# Allegro board MB1248D.brd (continued)
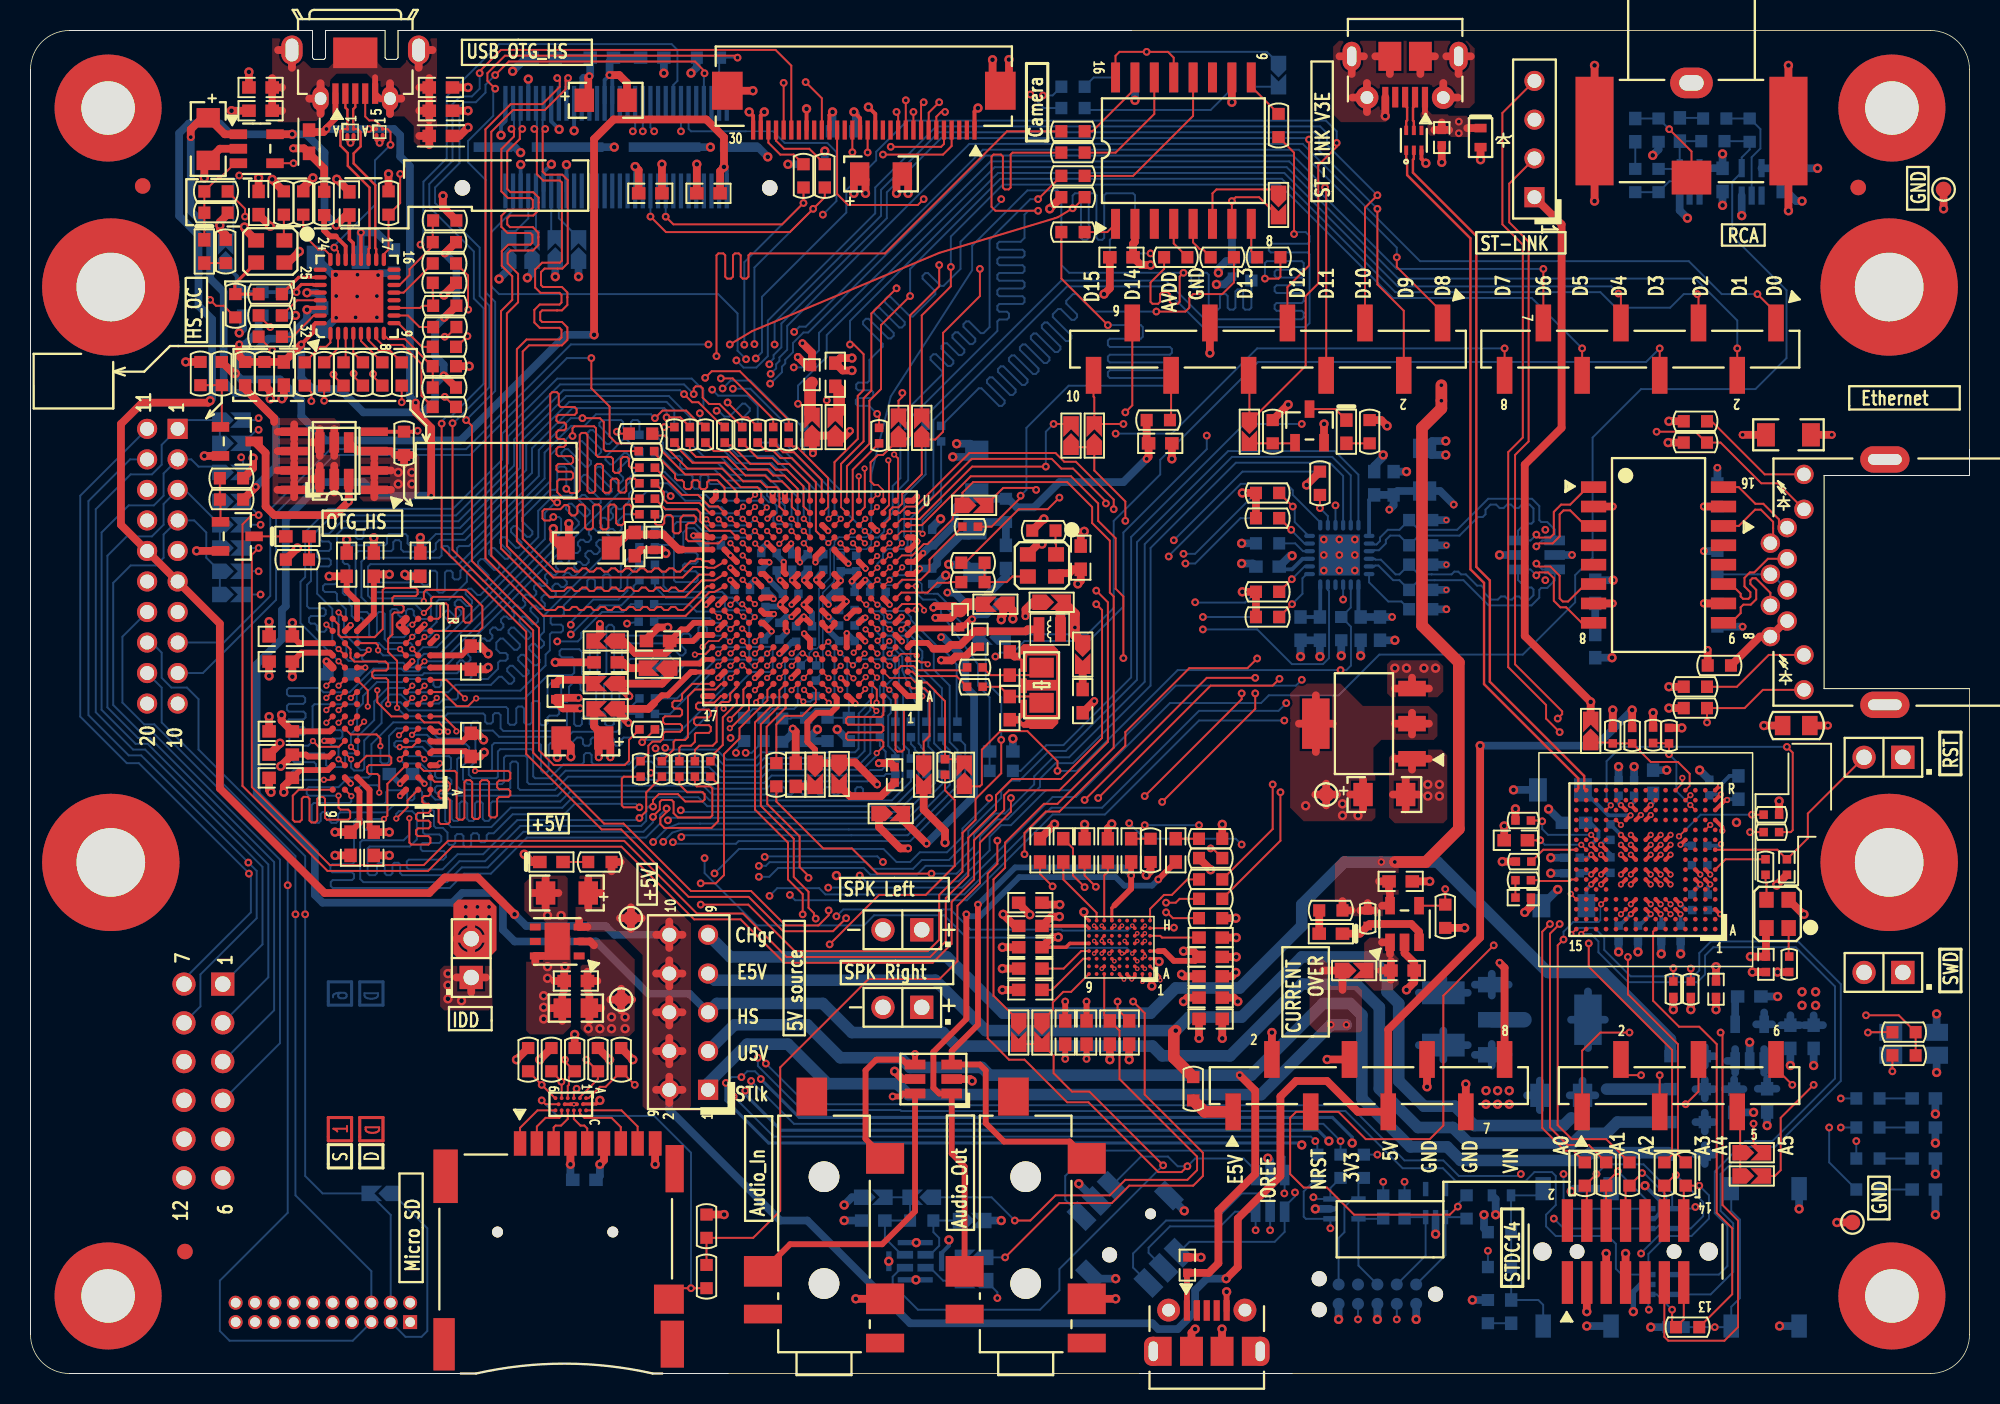
[diagram p0: board, top side]
## Routing (per net, layer and track width the routed paths; a pad name or vN(x,y) marks a point on that pad's centre or on a via; arc(x,y) is an arc through that point) (continued)
PB2: length 70.2
  TOP w0.127: v1(55.45,62.88) 55.58,62.75 R56.2 ; U3.16 71.07,86.34 71.33,86.6 v1(73.11,86.6) 74.5,86.6 74.88,86.22 U3.13
  L4_SIG w0.102: v1(73.11,86.6) 65.61,86.6 63.58,84.57 v1(63.58,76.95)
  BOTTOM w0.127: v1(55.45,62.88) 54.92,63.41 54.18,63.41 54.06,63.53 54.06,63.79 54.18,63.92 55.07,63.92 55.2,64.04 55.2,64.3 55.07,64.42 54.21,64.42 54.08,64.55 54.08,64.8 54.21,64.93 54.82,64.93 54.95,65.06 54.95,66.41 55.82,67.28 55.82,67.46 54.53,68.75 54.53,68.93 54.71,69.11 54.89,69.11 56.18,67.82 56.36,67.82 56.54,68 56.54,68.18 55.25,69.47 55.25,69.65 55.43,69.83 55.61,69.83 56.9,68.54 57.08,68.54 57.26,68.72 57.26,68.9 55.97,70.19 55.97,70.37 56.15,70.55 56.33,70.55 57.62,69.26 57.8,69.26 59.26,70.73 59.26,70.91 58.43,71.74 58.43,71.92 58.61,72.1 58.79,72.1 59.62,71.27 59.8,71.27 60.91,72.38 60.91,74.16 63.58,76.82 v1(63.58,76.95) ; SB25.2 80.98,86.6 v1(73.11,86.6)
PB3: length 91.3
  TOP w0.102: v2(53.9,45.55) U6.C6
  TOP w0.127: CN13.8 104.48,12.05 v1(105.55,13.13)
  L4_SIG w0.102: v2(53.9,45.55) 54.32,45.13 54.32,44.7 54.52,44.49 54.82,44.49 55.07,44.75 55.07,44.75 55.14,44.82 55.71,44.82 56.09,45.2 56.98,45.2 57.61,44.57 57.61,44.18 58.6,43.19 58.6,40.35 63.45,35.5 71.4,35.5 v1(71.96,36.06) ; v1(79.33,34.66) 80.09,33.9 80.09,17.39 83.01,14.47 88.09,14.47 v1(88.22,14.34) 88.6,13.96 98,13.96 99.78,12.18 v1(99.78,10.15)
  BOTTOM w0.127: v1(99.78,10.15) 100.43,9.5 D14.1 106.45,9.5 107.15,10.2 107.15,11.67 105.68,13.13 v1(105.55,13.13) ; R206.2 v1(88.22,14.34) ; v1(79.33,34.66) 78.95,35.04 72.98,35.04 v1(71.96,36.06)
PB4: length 65.1
  TOP w0.127: v2(53.04,44.81) U6.B7
  L4_SIG w0.102: v1(72.98,35.93) 72.88,35.93 72.14,35.19 65.26,35.19 64.42,34.36 62.9,34.36 57.87,39.38 57.87,41.85 55.78,43.93 55.78,44.18 55.6,44.36 55.26,44.36 54.99,44.09 54.36,44.09 53.64,44.81 v2(53.04,44.81) ; v1(76.54,35.93) 78.06,34.41 78.06,32.5 77.04,31.48 77.04,19.42 82.76,13.7 87.08,13.7 87.71,13.07 89.49,13.07 v1(90,12.56)
  BOTTOM w0.127: R211.2 v1(90,12.56) ; v1(72.98,35.93) v1(76.54,35.93)
PB6: length 99.4
  TOP w0.102: U6.B5 v2(54.7,45.63)
  TOP w0.127: v1(69.04,37.58) 77.04,45.58 v1(80.22,45.58)
  L4_SIG w0.102: v2(54.7,45.63) 54.92,45.63 55.3,45.25 55.59,45.25 55.8,45.45 57.1,45.45 57.99,44.57 57.99,44.31 58.06,44.25 58.06,44.24 58.26,44.03 58.27,44.03 58.93,43.37 58.93,40.45 62.84,36.54 64.83,36.54 65.87,37.58 v1(69.04,37.58) ; v1(42.6,81.4) 48.98,81.4 49.54,80.84 52.29,80.84 55.48,77.66 55.48,76.06 64.89,66.65 72.6,66.65 75.85,63.4 75.85,60.82 78.59,58.08 78.59,57.37 80.91,55.05 80.91,46.27 v1(80.22,45.58)
  BOTTOM w0.127: CN15.47 v1(42.6,81.4)
PB7: length 92.2
  TOP w0.102: v2(54.69,46.37) 54.64,46.37 U6.C5
  TOP w0.127: v1(58.5,76.95) 58.12,76.57 53.55,76.57 52.83,77.29 P1.19 ; v1(69.93,37.71) 77.3,45.07 81.36,45.07 v1(81.81,45.52)
  L4_SIG w0.102: v1(58.5,76.95) 68.03,67.43 72.69,67.43 76.61,63.5 76.61,61.28 81.62,56.27 81.62,45.71 v1(81.81,45.52) ; v2(54.69,46.37) 55.07,45.99 55.68,45.99 55.96,45.71 57.23,45.71 58.17,44.77 59.11,44.77 59.73,44.15 59.73,40.08 62.97,36.84 64.57,36.84 66.02,38.29 69.35,38.29 v1(69.93,37.71)
PB14: length 112.9
  TOP w0.127: U6.U15 46.26,57.8 45.14,58.92 42.87,58.92 41.36,60.44 41.36,60.45 41.32,60.48 41.32,60.8 41.17,60.95 38.38,60.95 37.93,61.41 37.93,63.36 36.73,64.56 v1(36.73,66.54)
  L4_SIG w0.102: P2.9 11.64,43.9 11.64,31.74 16.08,27.29 16.08,14.34 23.2,7.23 24.21,7.23 25.99,5.45 25.99,2.78 25.23,2.02 22.2,2.02 21.69,2.53 21.69,4 CN17.8
  BOTTOM w0.127: v1(36.73,66.54) 35.13,66.54 28.78,60.19 19.89,60.19 16.08,56.38 16.08,50.69 11.29,45.9 P2.9
PB15: length 65.6
  TOP w0.102: U6.T15 v2(46.67,56.8)
  L4_SIG w0.102: v2(46.67,56.8) 46.67,57.74 50.45,61.51 50.45,63.06 50.73,63.34 50.73,66.73 49.27,68.19 45.16,68.19 v1(44.4,67.43)
  BOTTOM w0.127: v1(44.4,67.43) 35.39,67.43 28.53,60.57 19.64,60.57 15.7,56.63 15.7,50.95 12.65,47.9 P2.8
PC0: length 70
  TOP w0.102: U6.L2 v2(57.09,52.82)
  TOP w0.127: v1(15.7,68.57) R26.2
  L4_SIG w0.102: v2(57.09,52.82) 56.34,52.36 54.56,52.36 53.34,52.75 52.07,54.02 51.87,54.37 51.87,56 52.37,57.53 53.56,58.73 53.56,59.89 54.28,60.62 54.28,63.44 54.39,63.54 54.39,67.45 51.21,70.63 28.05,70.63 27.51,70.09 26.7,70.09 25.46,68.85 25.46,66.18 22.31,63.03 18.45,63.03 17.92,63.55 v1(15.7,68.57)
PC1: length 55.1
  TOP w0.102: U6.M2 57.07,53.6
  TOP w0.127: 57.07,53.6 57.76,53.6 58.5,54.34 58.76,54.34 60.41,56 60.41,56.25 61.04,56.88 61.04,57.71 61.74,58.41 67.9,58.41 69.53,56.77 69.53,55.73 70.69,54.57 70.69,51.17 70.95,50.92 70.95,41.01 67.26,37.33 66.38,37.33 63.84,34.79 63.84,33.14 63.07,32.37 63.07,24.75 SB21.2
PC2: length 119.8
  TOP w0.102: U6.M3 v2(56.29,53.62)
  TOP w0.127: v1(69.8,50.41) 70.19,50.03 70.19,41.65 67.49,38.95 64.29,38.95 63.24,37.9 63.24,36.92 61.42,35.1 61.42,32.63 59.95,31.15 59.95,28.31 58.93,27.29 49.52,27.29 46.67,30.14 43.65,30.14 38.89,34.9 27.35,34.9 25.76,33.31 19.61,33.31 14.5,38.43 14.5,53.65 v1(14.94,54.09)
  L4_SIG w0.102: v1(69.8,50.41) 70.44,51.04 70.44,56 69.55,56.88 63.58,56.88 62.18,55.49 57.92,55.49 57.71,55.28 57.71,54.5 56.98,53.76 56.43,53.76 v2(56.29,53.62)
  BOTTOM w0.127: SB36.1 v1(14.94,54.09)
PC2_C: length 86.6
  TOP w0.127: SB23.1 112.86,15.11 v1(112.86,16.37) ; U6.R1 58.38,55.59 61.58,58.79 68.15,58.79 69.93,57.01 69.93,55.87 71.07,54.73 71.07,51.42 71.58,50.92 v1(71.58,46.88)
  L4_SIG w0.102: v1(71.58,46.88) 71.96,46.5 71.96,44.31 82.76,33.52 82.76,26.91 89.74,19.93 95.84,19.93 96.47,19.29 101.17,19.29 102.44,18.02 107.14,18.02 108.23,16.93 112.3,16.93 v1(112.86,16.37)
PC3: length 124
  TOP w0.102: U6.M4 55.44,53.57 v2(55.45,53.57)
  TOP w0.127: v1(69.8,51.3) 70.57,50.53 70.57,41.39 67.39,38.22 64.1,38.22 63.77,37.89 63.77,36.91 61.8,34.94 61.8,32.37 60.33,30.9 60.33,28.16 59.09,26.91 49.36,26.91 46.51,29.76 43.46,29.76 38.7,34.52 27.63,34.52 26.04,32.93 19.45,32.93 13.88,38.5 13.88,55.64 14.5,56.25 v1(14.94,56.25)
  L4_SIG w0.102: v1(69.8,51.3) 70.06,51.55 70.06,55.74 69.3,56.5 63.84,56.5 62.31,54.98 59.14,54.98 58.12,53.96 57.61,53.96 57.13,53.48 56.7,53.48 56.47,53.25 55.77,53.25 v2(55.45,53.57)
  BOTTOM w0.127: SB34.1 14.05,57.14 v1(14.94,56.25)
PC3_C: length 15.6
  TOP w0.127: SB6.1 v1(67.01,62.22) ; U6.R2 57.07,56 58.25,56 61.68,59.42 v1(66.5,59.42)
  BOTTOM w0.127: v1(66.5,59.42) 66.5,61.71 v1(67.01,62.22)
PC4: length 33.4
  TOP w0.102: U6.T4 v2(55.44,56.77)
  L4_SIG w0.102: v1(76.28,50.53) 76.28,54.24 70.21,60.31 63.07,60.31 62.31,59.55 59.82,59.55 59.26,58.99 58.43,58.99 56.2,56.77 v2(55.44,56.77)
  BOTTOM w0.127: v1(76.28,50.53) 76.3,50.52 79.56,50.52 R171.2
PC5: length 34.5
  TOP w0.102: U6.U4 v2(55.49,57.62)
  L4_SIG w0.102: v2(55.49,57.62) 56.41,57.62 60.2,61.41 61.32,61.41 61.7,61.03 69.93,61.03 76.79,54.17 v1(76.79,49.57)
  BOTTOM w0.127: v1(76.79,49.57) R175.2
PC8: length 49
  TOP w0.102: U6.E13 v2(47.45,47.18)
  TOP w0.127: v1(36.4,20.56) R118.2 37.17,19.29 35.99,18.11 U13.A2
  L4_SIG w0.102: v1(36.4,20.56) 37.04,19.93 37.67,19.93 40.82,16.78 46.45,16.78 48.9,19.23 48.9,31.83 49.28,32.22 49.28,33.14 49.43,33.29 49.43,39.01 48.49,39.95 48.49,41.35 47.86,41.99 47.86,42.6 47.25,43.21 47.21,43.21 46.76,43.66 46.76,45.05 47,45.29 47,45.63 47.33,45.96 47.54,45.96 47.8,46.23 47.8,46.82 v2(47.45,47.18)
PC10: length 48.8
  TOP w0.127: v2(47.53,43.97) 47.53,44.06 U6.A13 ; U13.A6 34.35,18.04 v1(33.48,18.91) R115.2
  L4_SIG w0.102: v2(47.53,43.97) 48.77,42.72 48.77,42.37 49.41,41.73 49.41,40.33 50.35,39.39 50.35,32.91 50.2,32.76 50.2,30.75 49.84,30.39 49.84,18.87 46.83,15.86 40.29,15.86 37.22,18.94 36.53,18.94 36.38,19.09 35.45,19.09 35.04,18.68 33.71,18.68 v1(33.48,18.91)
PC12: length 46.3
  TOP w0.102: U6.C12 v2(48.25,45.58)
  TOP w0.127: v1(35.77,18.66) 35.59,18.48 U13.A3
  L4_SIG w0.089: 35.93,18.49 36.73,17.69
  L4_SIG w0.102: v2(48.25,45.58) 48.25,43.55 49.21,42.58 49.21,42.36 49.71,41.86 49.71,40.46 50.65,39.52 50.65,32.78 50.5,32.63 50.5,30.62 50.14,30.27 50.14,18.74 46.96,15.56 38.87,15.56 36.73,17.69 ; v1(35.77,18.66) 35.93,18.49
PC13: length 72.5
  TOP w0.102: U6.E3 v2(56.25,47.98)
  L4_SIG w0.102: v2(56.25,47.98) 56.6,48.33 57.22,48.33 57.43,48.12 58.18,48.12 58.65,47.65 60.44,47.65 60.99,48.2 64.84,48.2 65.02,48.38 68.15,48.38 69.93,46.6 69.93,45.96 70.52,45.38 70.52,43.8 70.57,43.75 70.57,43.68 77.17,37.07 77.17,35.93 78.69,34.41 78.69,32.37 77.42,31.1 77.42,19.55 82.89,14.09 87.46,14.09 87.97,13.58 92.79,13.58 94.06,12.31 94.06,9.44 v1(95.46,8.04)
  BOTTOM w0.127: R215.2 v1(95.46,8.04)
PC14: length 5
  TOP w0.127: R77.2 61.16,46.08 58.11,46.08 57.83,46.36 57.03,46.36 U6.C2
PC15: length 4.3
  TOP w0.127: U6.C1 57.76,45.99 58.06,45.7 60.65,45.7 R78.2
PD2: length 49.9
  TOP w0.102: U6.D12 v2(48.25,46.38)
  TOP w0.127: U13.A4 35.19,18.84 35.26,18.91 35.26,19.42 R117.2 35.01,20.44 v1(35.01,20.56)
  L4_SIG w0.102: v1(35.01,20.56) 35.77,20.56 36.78,19.55 37.55,19.55 40.62,16.47 46.58,16.47 49.2,19.1 49.2,31.71 49.59,32.09 49.59,33.01 49.74,33.16 49.74,39.14 48.8,40.08 48.8,41.48 48.16,42.11 48.16,42.6 47.35,43.41 47.29,43.41 46.97,43.74 46.97,44.8 47.39,45.22 47.59,45.22 47.88,45.51 47.88,46.01 v2(48.25,46.38)
PD4: length 105.9
  TOP w0.127: U6.A12 48.66,43.87 47.45,42.66 47.45,36.95 49.61,34.79 49.61,32.37 50.58,31.41 v1(50.58,30.09)
  L4_SIG w0.102: v1(14.94,52.57) 12.55,50.18 12.55,32.15 17.1,27.6 17.1,14.79 19.1,12.78 44.61,12.78 50.58,18.75 v1(50.58,30.09)
  BOTTOM w0.127: SB37.1 v1(14.94,52.57)
PD5: length 115.4
  TOP w0.127: v1(50.96,32.48) 50.93,32.48 50.93,32.63 50.37,33.19 50.37,35.2 48.25,37.32 48.25,38.3 48.21,38.34 48.21,42.38 49.46,43.62 U6.A11
  L4_SIG w0.102: v1(50.96,32.48) 51.01,32.42 51.01,30 51,29.98 51,18.73 44.74,12.48 18.98,12.48 16.75,14.7 16.75,27.51 12.25,32.02 12.25,50.51 15.5,53.76 15.5,58.33 v1(13.8,60.03)
  BOTTOM w0.127: v1(13.8,60.03) 13.92,59.91 SB33.1
PD6: length 112.7
  TOP w0.127: U6.B11 49.05,44.78 49.05,43.75 47.83,42.53 47.83,37.2 49.99,35.04 49.99,32.53 50.96,31.57 50.96,30.52 51.31,30.16 51.31,29.81 v1(51.43,29.81)
  L4_SIG w0.102: v1(51.43,29.81) 51.43,18.73 44.87,12.17 18.85,12.17 16.45,14.58 16.45,27.39 11.94,31.89 11.94,52.49 v1(15.07,55.61)
  BOTTOM w0.127: SB35.1 v1(15.07,55.61)
PD7: length 116.4
  TOP w0.102: U6.C11 v2(49.05,45.58)
  L4_SIG w0.102: v2(49.05,45.58) 49.05,44.18 50.73,42.5 50.73,41.62 50.53,41.42 50.53,40.5 51.26,39.77 51.26,33.44 51.97,32.73 51.97,32.11 v1(52.25,31.84)
  BOTTOM w0.127: R129.2 112.56,80.75 R127.2 112.6,80.2 112.08,79.68 U15.4 112.08,78.72 111.46,78.09 111.46,74.54 115.02,70.98 115.02,66.54 112.98,64.5 105.49,64.5 102.32,61.33 102.32,53.46 101.17,52.31 101.17,50.53 97.74,47.11 88.35,47.11 85.68,44.44 81.11,44.44 80.6,43.93 74.63,43.93 68.47,37.77 66.95,37.77 61.01,31.84 v1(52.25,31.84)
PD11: length 52.8
  TOP w0.127: v1(44.93,66.66) 44.93,73.27 45.06,73.39 45.37,73.39 45.5,73.27 45.5,71.87 45.63,71.74 45.88,71.74 46.01,71.87 46.01,73.27 46.14,73.39 46.39,73.39 46.52,73.27 46.52,71.87 46.64,71.74 46.9,71.74 47.03,71.87 47.03,73.27 47.15,73.39 55.96,73.39 63.96,81.4 R2.1
  L4_SIG w0.102: v1(41.93,57.49) 41.93,58.98 45.42,62.47 45.72,62.47 46.44,63.19 46.44,64.73 44.93,66.24 v1(44.93,66.66)
  BOTTOM w0.127: v1(41.93,57.49) 41.92,57.5 41.92,57.51 41.65,57.79 40.35,57.79 R157.2
PD12: length 172.4
  TOP w0.127: CN5.10 69.63,64.01 69.68,63.96 SB7.1 v1(71.58,62.22) ; U6.R16 45.45,55.59 v2(45.06,55.97) ; R103.1 81.36,35.68 v1(81.36,38.6) ; R4.1 v1(50.63,76.7) 49.23,75.3 42.11,75.3 v1(41.6,75.8)
  L4_SIG w0.102: v1(50.63,76.7) 50.63,75.81 63.58,62.85 70.95,62.85 v1(71.58,62.22) 72.09,61.71 72.09,59.76 77.63,54.22 77.63,42.33 v1(81.36,38.6) ; v1(46.75,67.41) 46.75,67.51 47.12,67.88 49.05,67.88 49.52,67.42 49.52,65.76 49.84,65.44 49.84,64.2 49.53,63.9 49.53,61.89 45.83,58.18 45.83,58.1 45.78,58.05 45.78,56.68 v2(45.06,55.97) ; P2.7 8.59,50.94 8.59,52.69 8.34,52.95 7.07,52.95 6.56,53.46 6.56,58.41 7.07,58.92 8.21,58.92 8.59,59.3 8.59,60.57 8.84,60.82 10.37,60.82 10.75,61.2 10.75,61.96 14.28,65.5 14.28,71.77 13.53,72.52 13.53,75.9 13.87,76.24 16.72,76.24 18.24,74.72 20.4,74.72 20.78,74.33 23.88,74.33 24.9,75.35 41.28,75.35 41.6,75.67 v1(41.6,75.8)
  BOTTOM w0.127: CN15.44 v1(41.6,75.8) ; v1(46.75,67.41) 46.75,72.82 v1(50.63,76.7) R4.1
PD13: length 235.2
  TOP w0.127: R105.1 81.87,34.91 v1(81.87,38.09) ; v2(44.26,55.97) 44.65,55.59 U6.R17 ; v1(71.71,62.98) 72.17,63.44 CN5.9 ; R5.1 52.02,77.08 v1(51.26,76.32) 49.74,74.79 41.62,74.79 v1(40.6,75.81) ; v1(116.79,18.91) 114.64,16.75 114.64,13.32 114.25,12.94 SB24.1
  L4_SIG w0.102: v1(47.41,67.45) 47.68,67.45 48.91,66.22 48.91,65.51 49.23,65.19 49.23,64.45 48.93,64.15 48.93,62.15 45.22,58.44 45.22,57.95 45.24,57.92 45.24,56.95 v2(44.26,55.97) ; P2.10 8.59,44.94 8.59,50.28 7.96,50.92 7.07,50.92 6.18,51.8 6.18,60.44 6.69,60.95 8.34,60.95 8.59,61.2 8.59,62.47 8.97,62.85 9.99,62.85 12.74,65.61 12.74,67.95 13.97,69.18 13.97,71.64 13.22,72.39 13.22,76.02 13.75,76.54 16.84,76.54 17.66,75.73 40.53,75.73 v1(40.6,75.81) ; v1(116.79,18.91) 116.21,19.5 116.21,20.56 114.43,22.34 111.71,22.34 111.08,21.71 97.11,21.71 96.35,22.47 90.89,22.47 86.7,26.66 86.7,33.26 v1(81.87,38.09) 81.87,38.72 77.93,42.66 77.93,54.09 77.93,54.34 72.47,59.81 72.47,62.22 v1(71.71,62.98) 71.33,63.36 63.58,63.36 51.26,75.68 v1(51.26,76.32)
  BOTTOM w0.127: R5.1 52.02,77.08 v1(51.26,76.32) 47.41,72.47 v1(47.41,67.45) ; CN15.40 v1(40.6,75.81)
PE0: length 51.8
  TOP w0.102: v2(55.45,45.6) U6.C4
  TOP w0.127: v2(19.38,45.07) 19.77,45.45 U7.K9
  L4_SIG w0.102: v1(41.57,40.99) 41.57,40.92 41.15,40.5 41,40.5 38.26,37.76 37.5,37.76 37.4,37.66 37.4,37.38 37.3,37.28 37.1,37.28 37,37.38 37,37.66 36.89,37.76 36.69,37.76 36.59,37.66 36.59,37.38 36.49,37.28 36.29,37.28 36.18,37.38 36.18,37.66 36.08,37.76 35.88,37.76 35.78,37.66 35.78,37.38 35.68,37.28 35.47,37.28 35.37,37.38 35.37,37.66 35.27,37.76 33.08,37.76 30.94,39.89 30.94,42.58 30.69,42.84 29.24,42.84 28.55,43.52 24.47,43.52 24.19,43.25 23.22,43.25 22.36,44.11 21.85,44.11 21.24,43.5 20.86,43.5 20.47,43.11 19.92,43.11 19.73,43.3 19.73,44.42 19.38,44.77 v2(19.38,45.07)
  BOTTOM w0.127: v1(41.57,40.99) 41.68,40.88 44.93,40.88 45.59,40.22 47.43,40.22 47.91,40.71 54.01,40.71 54.23,40.93 54.23,43.09 54.25,43.11 54.25,43.24 54.69,43.69 54.69,43.82 55.12,44.25 55.12,45.28 v2(55.45,45.6)
PE1: length 52.6
  TOP w0.127: v2(55.41,43.96) 55.4,43.96 55.4,44.01 55.43,44.03 55.43,44.03 55.43,44.03 55.43,44.82 U6.B4 ; U7.K1 27.23,45.45 v2(28.45,44.24)
  L4_SIG w0.102: v2(28.45,44.24) 29.47,43.22 32.82,43.22 32.92,43.12 32.92,42.83 32.82,42.73 31.4,42.73 31.3,42.63 31.3,39.99 31.4,39.89 31.6,39.89 31.7,39.99 31.7,42.22 31.81,42.32 32.01,42.32 32.11,42.22 32.11,39.99 32.21,39.89 32.42,39.89 32.52,39.99 32.52,42.22 32.62,42.32 32.82,42.32 32.92,42.22 32.92,39.23 33.38,38.77 38.84,38.77 40.92,40.86 40.92,40.95 v1(40.94,40.96)
  BOTTOM w0.127: v1(40.94,40.96) 40.94,40.9 41.34,40.5 44.77,40.5 45.43,39.84 47.58,39.84 48.07,40.32 54.16,40.32 54.63,40.79 54.63,43.09 55.01,43.47 55.01,43.61 55.35,43.96 v2(55.41,43.96)
PE2: length 10
  TOP w0.102: U6.C3 56.27,45.58 57.66,45.58 57.96,45.28 58.16,45.28
  TOP w0.127: 58.16,45.28 58.71,45.28 59.26,44.72 59.26,44.69 59.9,44.06 R87.2 60.91,40.25 SB17.1
PE3: length 34.5
  TOP w0.102: U6.D3 v2(56.27,46.38)
  TOP w0.127: U12.F2 v3(72.99,28.84)
  L4_SIG w0.102: v3(72.99,28.84) 73.61,28.84 74.81,30.04 74.81,35.04 71.25,38.6 65.89,38.6 64.57,37.28 64.04,37.28 60.75,40.56 60.75,44.12 59.49,45.38 59.36,45.38 59.36,45.38 58.32,45.38 57.33,46.38 v2(56.27,46.38)
PE4: length 111.1
  TOP w0.102: v2(58.04,47.04) 57.93,47.16 57.03,47.16 U6.D2
  TOP w0.127: U12.E3 v3(72.49,28.34) ; v1(74.12,37.45) 80.22,43.55 v1(80.22,44.57)
  L4_SIG w0.089: 73.82,28.04 72.79,28.04 v3(72.49,28.34)
  L4_SIG w0.102: 73.82,28.04 74.33,28.04 75.5,29.21 75.5,36.07 v1(74.12,37.45) 70.95,40.63 63.86,40.63 62.69,41.8 62.69,43.83 60.2,46.32 59.36,46.32 59.15,46.53 59.15,46.63 59.14,46.64 59.14,46.85 58.95,47.04 v2(58.04,47.04) ; v1(80.22,44.57) 79.71,45.07 79.71,47.36 80.16,47.81 80.16,54.93 75.54,59.55 75.54,60.26 75.24,60.56 75.24,63.15 72.35,66.04 64.54,66.04 52.31,78.27 51.47,78.27 49.53,80.2 45.06,80.2 44.73,79.88 44.33,79.88 43.97,80.23 41.26,80.23 v1(40.1,81.4)
  BOTTOM w0.127: CN15.37 v1(40.1,81.4)
PE5: length 106.7
  TOP w0.102: 58.16,46.67 57.57,46.67 U6.D1
  TOP w0.127: U12.G1 74.86,29.18 v1(74.89,29.21) ; v1(72.98,37.83) 79.33,44.18 v1(79.33,44.57) ; v2(58.77,46.47) 58.76,46.47 58.63,46.6 58.3,46.6 58.22,46.67 58.16,46.67
  L4_SIG w0.102: v2(58.77,46.47) 59.23,46.01 60.08,46.01 62.06,44.03 62.06,42 63.81,40.25 70.57,40.25 v1(72.98,37.83) 75.2,35.61 75.2,29.52 v1(74.89,29.21) ; v1(39.45,81.4) 41.07,79.77 44,79.77 44.23,79.54 45.66,79.54 45.96,79.24 48.85,79.24 50.12,77.97 52.18,77.97 64.41,65.74 72.22,65.74 74.56,63.4 74.56,60.82 75.24,60.13 75.24,59.17 79.86,54.55 79.86,48.01 79.33,47.49 v1(79.33,44.57)
  BOTTOM w0.127: v1(39.45,81.4) 39.6,81.55 CN15.35
PE6: length 122
  TOP w0.102: v2(53.92,47.23) 53.92,47.25 U6.E5
  TOP w0.127: v1(80.35,46.85) 79.71,46.22 75.9,46.22 71.71,42.03 71.71,41.14 67.39,36.82 66.5,36.82 65.11,35.42 v1(65.11,34.02) ; U12.E4 v3(71.67,28.34)
  L4_SIG w0.102: v2(53.92,47.23) 53.53,46.84 53.04,46.84 52.68,46.49 52.68,44.66 53.8,43.55 53.93,43.55 54.54,42.94 54.54,42.89 54.54,41.5 54.41,41.37 54.41,35.57 56.72,33.26 64.34,33.26 v1(65.11,34.02) 68.26,34.02 70.57,31.71 70.57,29.33 71.56,28.34 v3(71.67,28.34) ; v1(80.35,46.85) 80.6,47.11 80.6,54.93 78.28,57.24 78.28,57.95 75.54,60.69 75.54,63.28 72.47,66.35 64.76,66.35 55.17,75.93 55.17,77.53 54.01,78.7 51.47,78.7 49.63,80.54 48.94,80.54 48.52,80.96 41.28,80.96 v1(40.85,81.4)
  BOTTOM w0.127: CN15.39 40.6,81.64 v1(40.85,81.4)
PF6: length 55.3
  TOP w0.127: R15.2 67.52,71.74 v1(70.57,68.7) ; v1(64.85,57.52) 64.85,57.39 62.95,55.49 R69.1
  BOTTOM w0.127: v1(64.85,57.52) 65.23,57.9 65.23,61.96 67.99,64.73 74.76,64.73 74.88,64.85 74.88,65.11 74.76,65.23 70.69,65.23 70.57,65.36 70.57,65.61 70.69,65.74 74.76,65.74 74.88,65.87 74.88,66.12 74.76,66.25 70.69,66.25 70.57,66.38 70.57,66.63 70.69,66.76 74.63,66.76 74.76,66.88 74.76,67.14 74.63,67.27 70.69,67.27 70.57,67.39 70.57,67.68 70.69,67.81 72.73,67.81 72.85,67.93 72.85,68.57 72.73,68.7 v1(70.57,68.7)
PF7: length 60.9
  TOP w0.102: U6.K3 56.27,52 v2(56.27,52.01)
  TOP w0.127: R1.1 82.76,80 v1(82.76,74.66)
  BOTTOM w0.127: v1(82.76,74.66) 82.89,74.79 83.52,74.79 83.77,74.54 83.77,74.16 83.65,74.03 81.23,74.03 81.11,73.9 81.11,73.59 81.23,73.46 83.65,73.46 83.77,73.33 83.77,68.82 83.52,68.57 76.79,68.57 74.12,71.24 67.9,71.24 59.14,62.47 59.14,57.52 57.68,56.06 57.68,52.63 57.36,52.31 56.57,52.31 v2(56.27,52.01)
PF8: length 122.3
  TOP w0.102: U6.K4 v2(55.47,52)
  TOP w0.127: v1(43.9,30.72) 47.01,30.72 50.06,27.67 58.77,27.67 59.52,28.42 59.52,31.36 61.04,32.88 61.04,35.42 61.9,36.28 61.9,37.64 63.58,39.33 v1(63.58,41.52)
  L4_SIG w0.102: P2.14 8.62,56.88 10.11,56.88 11,57.77 11,58.66 12.91,60.57 14.94,60.57 15.96,59.55 15.96,52.82 15.03,51.89 14.85,51.89 12.86,49.9 12.86,32.27 15.68,29.45 24.9,29.45 27.06,31.61 29.8,31.61 30.82,30.6 43.77,30.6 v1(43.9,30.72)
  BOTTOM w0.102: v2(55.47,52) 55.82,51.65 56.82,51.65 57.17,52 58.11,52 58.37,51.73 58.37,51.3 58.58,51.09 59.15,51.09
  BOTTOM w0.127: v1(63.58,41.52) 63.58,44.31 62.57,45.33 62.57,47.87 SB39.1 62,48.44 61.72,48.44 60.1,50.05 60.1,50.41 59.42,51.09 59.15,51.09
PF9: length 50.3
  TOP w0.127: R20.2 81.87,71.87 81.74,71.74 v1(80.85,71.74)
  BOTTOM w0.127: R140.1 58.63,62.73 67.52,71.62 74.38,71.62 76.92,69.08 83.27,69.08 83.39,69.2 83.39,69.51 83.27,69.64 81.62,69.64 81.49,69.76 81.49,70.02 81.62,70.14 83.27,70.14 83.39,70.27 83.39,70.67 83.27,70.8 81.62,70.8 81.49,70.92 81.49,71.18 81.62,71.3 83.27,71.3 83.39,71.43 83.39,71.69 83.27,71.81 81.62,71.81 81.49,71.94 81.49,72.19 81.62,72.32 83.27,72.32 83.39,72.45 83.39,72.76 83.27,72.89 80.98,72.89 80.85,72.76 v1(80.85,71.74)
PF10: length 71.8
  TOP w0.102: U6.L3 v2(56.29,52.82)
  TOP w0.127: v1(105.49,19.55) 104.48,19.55 104.17,19.85 CN9.2
  L4_SIG w0.102: v1(105.49,19.55) 105.29,19.75 96.6,19.75 96.04,20.31 90.25,20.31 83.19,27.37 83.19,33.59 72.34,44.44 72.34,46.98 68.36,50.97 63.53,50.97 60.53,53.96 59.39,53.96 58.63,53.2 56.93,53.2 56.55,52.82 v2(56.29,52.82)
PF11: length 45
  TOP w0.127: v2(19.38,44.27) 19.77,44.65 U7.J9
  L4_SIG w0.102: v2(19.38,44.27) 19.02,44.62 19.02,45.35 19.82,46.14 19.82,47.66 20.32,48.17 21.16,48.17 24.08,51.09 26.65,51.09 29.75,54.19 30.69,54.19 31.58,55.08 31.58,55.23 31.26,55.54 31.26,55.68 31.41,55.83 31.55,55.83 31.87,55.51 32.01,55.51 32.15,55.66 32.15,55.8 31.84,56.11 31.84,56.26 31.98,56.4 32.13,56.4 32.44,56.09 32.58,56.09 32.73,56.23 32.73,56.38 32.41,56.69 32.41,56.83 32.56,56.98 32.7,56.98 33.02,56.66 33.16,56.66 37.29,60.8 37.29,62.14 38.87,63.72 43.62,63.72 44.3,64.4 44.58,64.4 v1(44.65,64.47)
  BOTTOM w0.127: R144.1 47.63,63.41 46.97,64.07 45.04,64.07 v1(44.65,64.47)
PG3: length 78.6
  TOP w0.127: v1(28.53,62.47) 28.91,62.09 28.91,53.24 33.3,48.84 33.3,40.83 34.27,39.87 38.92,39.87 39.2,40.15 39.2,41.52 R82.1 ; v1(30.43,84.19) 29.93,84.7 29.93,85.21 31.07,86.35 46.18,86.35 v1(46.31,86.22)
  BOTTOM w0.127: v1(46.31,86.22) R123.1 45.1,86.16 CN15.57 ; v1(30.43,84.19) 30.31,84.06 30.31,82.41 28.66,80.76 28.66,79.36 29.8,78.22 29.8,70.85 30.43,70.22 30.43,64.38 v1(28.53,62.47)
PG7: length 48.8
  TOP w0.102: 44.04,47.61 44.42,47.99 45.06,47.99 U6.F16
  TOP w0.127: U12.D3 v3(72.17,27.52) ; 44.04,47.61 v2(44.02,47.61)
  L4_SIG w0.102: v1(44.15,33.77) 44.33,33.95 44.33,37.68 43.24,38.78 43.24,43.6 42.73,44.11 42.73,45.66 44.02,46.95 v2(44.02,47.61)
  BOTTOM w0.127: v1(44.15,33.77) 44.15,32.79 47.58,29.36 54.59,29.36 55.25,30.02 59.83,30.02 61.29,28.56 66.25,28.56 66.92,27.89 71.8,27.89 v3(72.17,27.52)
PG8: length 43.2
  TOP w0.127: U7.J1 26.99,44.65 27.92,43.73 28.66,43.73 29.16,44.24 v2(29.19,44.24)
  BOTTOM w0.127: v2(29.19,44.24) 32.36,44.24 33.89,45.76 35.46,45.76 35.61,45.91 35.61,46.8 35.48,46.93 34.8,46.93 34.65,47.08 34.65,47.33 34.78,47.46 35.94,47.46 36.12,47.28 36.12,45.86 36.25,45.73 36.5,45.73 36.63,45.86 36.63,48.3 36.75,48.43 37.01,48.43 37.14,48.3 37.14,45.86 37.26,45.73 37.52,45.73 37.72,45.94 37.72,48.9 37.88,49.06 38.06,49.06 38.23,48.9 38.23,45.94 38.35,45.81 38.61,45.81 38.74,45.94 38.74,48.2 38.89,48.35 41.56,48.35 41.69,48.22 41.69,47.97 41.56,47.84 39.29,47.84 39.17,47.72 39.17,47.46 39.29,47.33 40.7,47.33 40.82,47.21 40.82,46.95 40.7,46.83 39.3,46.83 39.17,46.7 39.17,46.39 39.3,46.27 R179.1
PG11: length 60.9
  TOP w0.127: v1(59.01,32.75) 55.45,32.75 53.8,34.41 51.92,34.41 48.85,37.48 R93.1
  BOTTOM w0.127: U18.16 85.97,58.81 85.11,59.68 78.95,59.68 73.36,54.09 73.36,45.07 68.28,39.99 67.14,39.99 66.12,38.97 66.12,38.45 63.99,36.31 63.33,36.31 62.18,35.17 62.18,34.28 60.66,32.75 v1(59.01,32.75)
PG12: length 70
  L4_SIG w0.102: v1(47.71,33.26) 47.64,33.32 47.64,38.64 46.84,39.44 v1(46.84,40.67)
  BOTTOM w0.127: v1(46.84,40.67) 47.24,40.67 R193.1 ; U18.18 86.97,58.89 85.43,60.44 78.44,60.44 72.47,54.47 72.47,45.45 67.81,40.79 66.72,40.79 64.78,38.85 64.22,38.85 63.58,38.22 63.58,37.71 61.42,35.55 61.42,34.91 60.15,33.64 58.37,33.64 57.8,33.07 55.17,33.07 54.73,33.5 48.4,33.5 48.16,33.26 v1(47.71,33.26)
PG13: length 70.1
  L4_SIG w0.102: v1(47.71,32.55) 47.26,32.99 47.26,38.53 46.21,39.59 v1(46.21,40.67)
  BOTTOM w0.127: R194.1 46.21,40.91 v1(46.21,40.67) ; U18.17 86.47,58.85 85.27,60.06 78.69,60.06 72.98,54.35 72.98,45.33 68.03,40.37 66.99,40.37 65.74,39.13 65.74,38.6 63.83,36.69 63.17,36.69 61.8,35.33 61.8,34.53 60.53,33.26 58.63,33.26 58.06,32.69 55.01,32.69 54.58,33.12 48.96,33.12 48.39,32.55 v1(47.71,32.55)
PG15: length 45.6
  TOP w0.127: v2(22.09,43.7) 22.09,44.76 U7.K7
  L4_SIG w0.102: v2(22.09,43.7) 22.9,42.89 24.31,42.89 24.62,43.19 28.38,43.19 29.16,42.41 30.28,42.41 30.51,42.18 30.51,39.74 33.28,36.97 33.47,36.97 33.57,37.07 33.57,37.33 33.67,37.43 33.87,37.43 33.97,37.33 33.97,37.07 34.08,36.97 34.28,36.97 34.38,37.07 34.38,37.33 34.48,37.43 34.69,37.43 34.79,37.33 34.79,37.07 34.89,36.97 38.1,36.97 40.49,39.36 v1(40.62,39.36)
  BOTTOM w0.127: v1(40.62,39.36) 44.3,39.36 44.96,38.7 48.06,38.7 48.54,39.18 54.64,39.18 55,39.54 55.75,39.54 56.01,39.8 56.01,40.75 55.63,41.13 R189.1
PH0: length 4.7
  TOP w0.127: U6.J2 57.04,51.17 58.76,51.17 59.4,51.81 60.15,51.81 60.19,51.86 R73.1
PH4: length 68.7
  TOP w0.102: U6.P3 56.23,55.16 56.27,55.16 v2(56.28,55.17)
  TOP w0.127: v1(19.23,63.74) R36.2
  L4_SIG w0.102: v2(56.28,55.17) 55.88,54.78 55.88,54.24 55.61,53.96 55.15,53.96 54.74,53.56 53.12,53.56 52.66,54.01 52.66,57.27 53.87,58.47 53.87,59.77 54.59,60.49 54.59,63.31 54.69,63.41 54.69,67.59 51.35,70.93 42.8,70.93 42.7,71.03 42.7,71.85 42.6,71.95 42.4,71.95 42.3,71.85 42.3,71.03 42.19,70.93 41.99,70.93 41.89,71.03 41.89,71.85 41.79,71.95 41.58,71.95 41.48,71.85 41.48,71.03 41.38,70.93 41.18,70.93 41.08,71.03 41.08,71.85 40.98,71.95 40.77,71.95 40.67,71.85 40.67,71.03 40.57,70.93 28,70.93 27.74,71.19 25.94,71.19 25.05,70.3 25.05,66.51 21.9,63.36 19.61,63.36 v1(19.23,63.74)
PH5: length 45
  TOP w0.127: U7.K8 20.57,45.45 v2(20.18,45.07)
  L4_SIG w0.102: v2(20.18,45.07) 20.18,45.11 20.96,45.89 20.96,46.9 23.5,49.44 25.99,49.44 30.03,53.48 34.45,53.48 37.93,56.96 37.93,61.86 38.54,62.47 40.21,62.47 41.1,61.58 41.84,61.58 43.67,63.41 43.74,63.41 44.35,64.02 45.04,64.02 45.33,64.31 v1(45.33,64.54)